# KiCad board Pravetz8A-patched.kicad_pcb (continued)
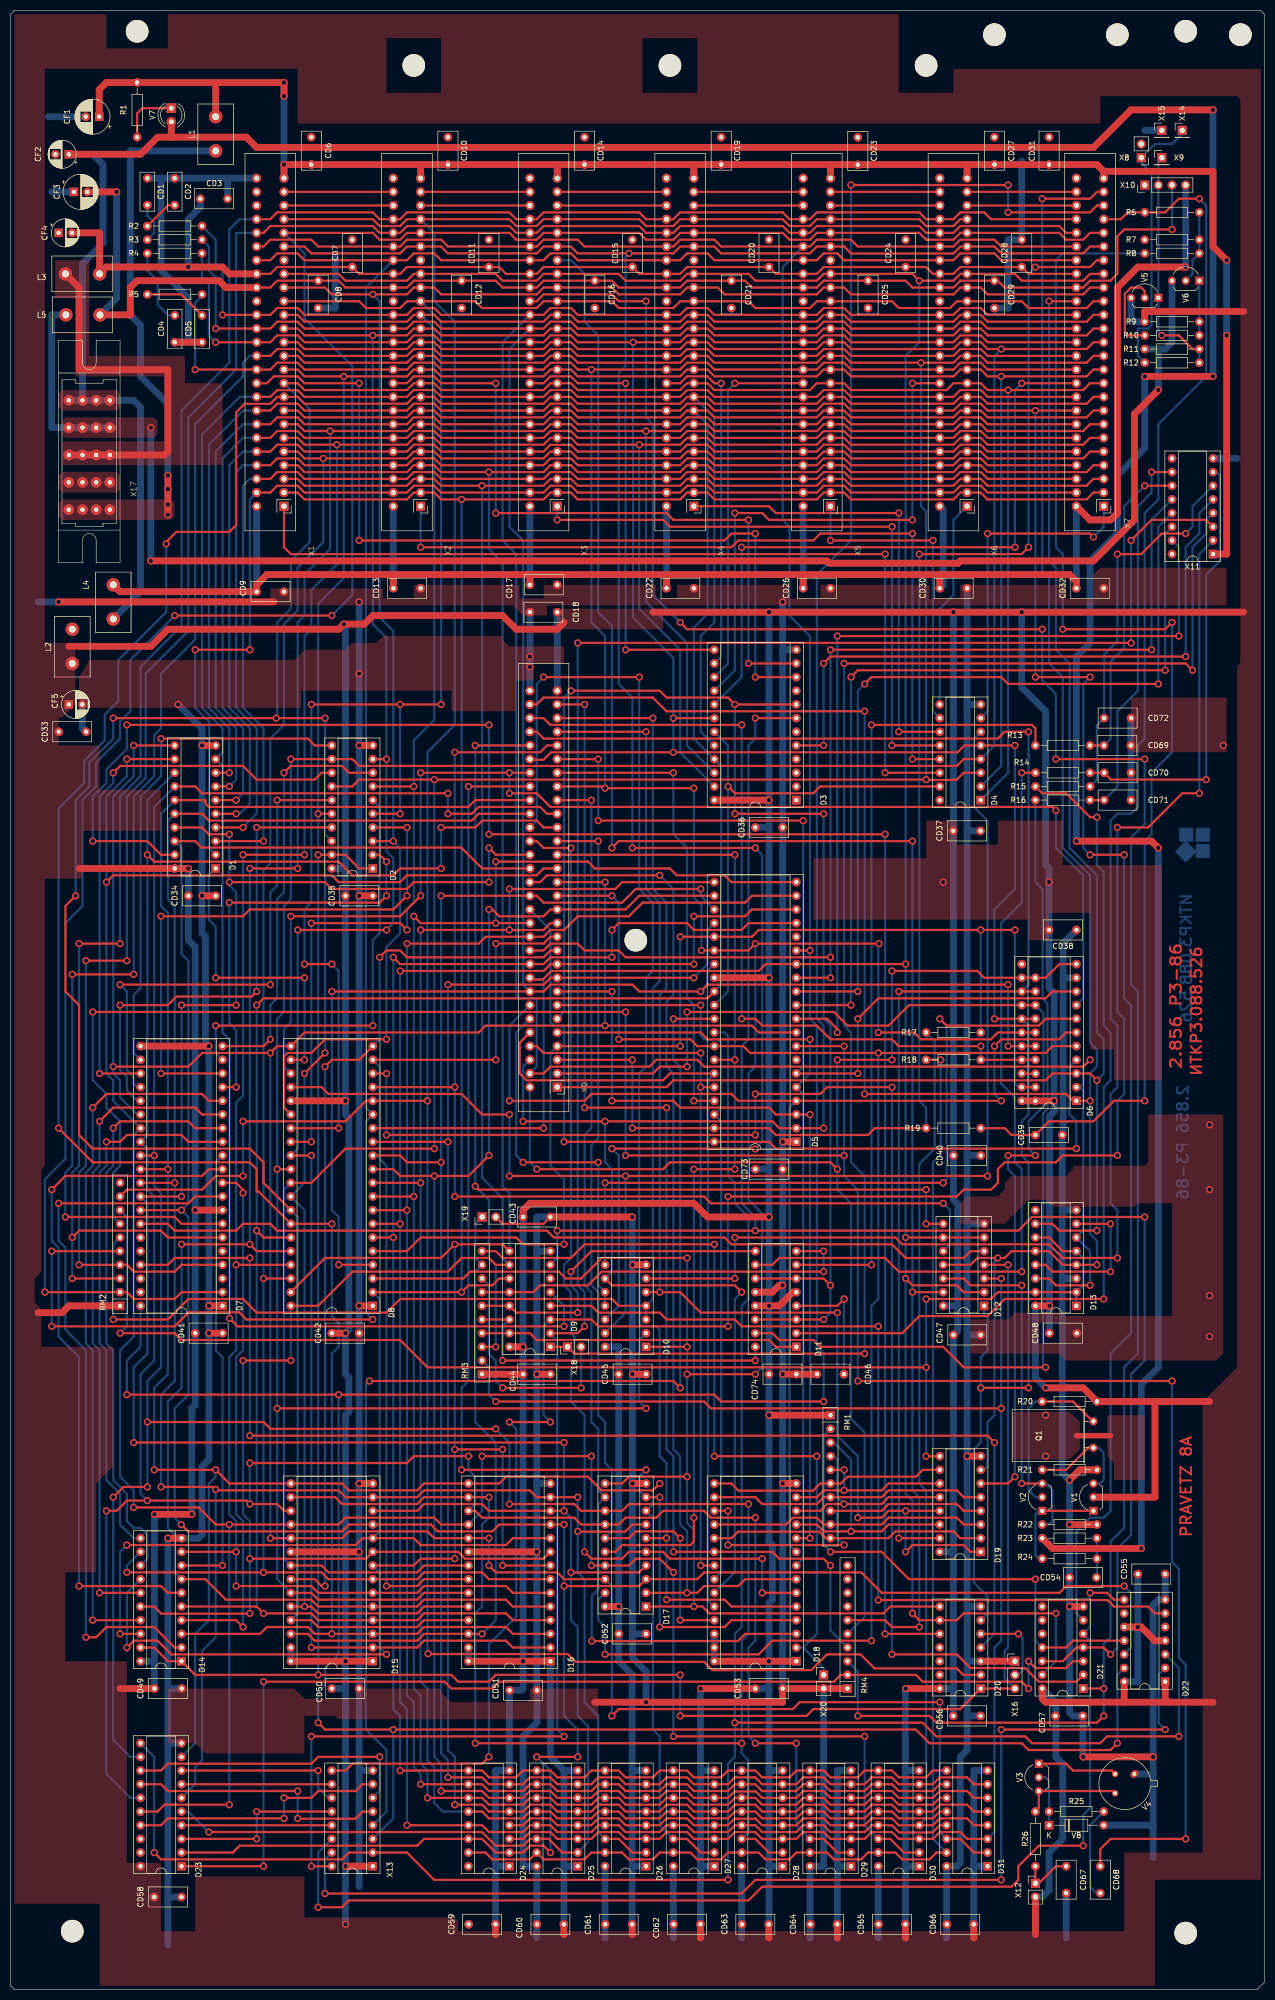
[diagram p0: board, top side]
## Routing (per net, layer and track width the routed paths; a pad name or vN(x,y) marks a point on that pad's centre or on a via; arc(x,y) is an arc through that point) (continued)
MD2: length 427.4
  Top w0.406: D26.2 115.57,25.4 113.03,27.94 110.49,27.94 ; D1.16 35.56,218.44 36.83,217.17 85.72,217.17 86.99,218.44 X0.40 ; v1(30.48,149.86) D7.31 ; v1(105.41,91.44) D16.13 97.79,91.44 96.52,92.71 76.83,92.71 75.56,91.44 D15.13 62.23,91.44 60.96,92.71 38.28,92.71 v1(38.1,92.89) 37.64,93.34 v1(27.94,93.34) ; 105.41,85.02 114.23,85.02 115.57,86.36 D17.7
  Bottom w0.406: D1.16 29.21,217.17 29.21,202.56 30.48,201.29 v1(30.48,149.86) 30.48,113.03 27.94,110.49 v1(27.94,93.34) ; v1(105.41,91.44) v1(105.41,85.09) 105.41,77.47 106.68,76.2 106.68,53.34 109.22,50.8 109.22,29.21 110.49,27.94 ; v1(38.1,92.89) 38.1,65.4 35.56,62.86 35.56,42.54 34.29,41.27 34.29,38.1 31.75,35.56
MD3: length 431.7
  Top w0.406: v1(26.67,96.52) v1(38.1,96.52) 40.64,93.98 61.59,93.98 62.86,92.71 75.56,92.71 76.83,93.98 D16.15 90.8,93.98 92.08,95.25 107.31,95.25 109.86,92.71 119.38,92.71 v1(120.65,93.98) ; 30.48,220.98 36.19,220.98 36.19,220.34 36.83,219.71 85.09,219.71 86.36,220.98 96.52,220.98 ; D7.30 v1(29.21,152.4) ; 123.19,27.94 125.73,27.94 128.27,25.4 D27.2
  Bottom w0.406: D23.9 34.29,45.72 34.29,66.04 36.83,68.58 36.83,93.98 38.1,95.25 v1(38.1,96.52) ; v1(120.65,93.98) 119.38,92.71 119.38,90.17 D17.8 119.38,87.63 119.38,48.26 120.65,46.99 120.65,30.48 123.19,27.94 ; v1(26.67,96.52) 26.67,111.76 29.21,114.3 v1(29.21,152.4) 29.21,200.02 27.94,201.29 27.94,218.44 30.48,220.98
MD4: length 603.5
  Top w0.406: v1(137.16,90.17) 114.93,90.17 113.67,88.9 D17.13 106.05,88.9 104.77,90.17 v1(92.71,90.17) ; v1(81.28,218.44) 85.72,218.44 86.99,219.71 98.42,219.71 99.7,218.44 X0.21 ; v1(19.05,91.44) 20.96,93.34 v1(25.4,93.34) ; 52.07,91.44 60.33,91.44 61.59,90.17 75.56,90.17 76.83,91.44 D16.16 v1(88.9,91.44) ; 135.89,27.94 138.43,27.94 140.97,25.4 D28.2 ; D7.29 v1(26.67,154.94) ; D1.14 34.29,223.52 35.56,222.25 v1(81.28,222.25) ; v1(86.36,45.72) v1(135.89,45.72) ; v1(25.4,105.41) 46.99,105.41 48.26,104.14 v1(90.17,104.14)
  Bottom w0.406: v1(90.17,104.14) 92.71,101.6 v1(92.71,90.17) ; 24.13,43.18 22.22,43.18 19.05,46.35 v1(19.05,91.44) ; v1(88.9,91.44) 88.9,87.63 87.63,86.36 87.63,71.12 86.36,69.85 v1(86.36,45.72) ; 135.89,27.94 137.16,29.21 137.16,42.54 135.89,43.81 v1(135.89,45.72) 135.89,64.77 137.16,66.04 v1(137.16,90.17) ; D1.14 26.67,219.71 v1(26.67,154.94) 26.67,149.22 27.94,147.95 27.94,115.57 25.4,113.03 v1(25.4,105.41) v1(25.4,93.34) ; v1(81.28,218.44) v1(81.28,222.25)
MD5: length 515.8
  Top w0.406: v1(44.45,97.79) 73.66,97.79 74.93,99.06 v1(85.09,99.06) 85.72,99.06 ; 52.07,88.9 50.8,88.9 49.53,90.17 v1(44.45,90.17) ; v1(138.43,87.63) 130.18,87.63 128.91,88.9 121.29,88.9 120.02,87.63 114.3,87.63 113.03,86.36 106.05,86.36 104.77,87.63 87.63,87.63 86.36,88.9 D16.17 ; v1(17.78,88.9) 19.68,88.9 21.59,90.8 v1(25.4,90.8) 43.81,90.8 v1(44.45,90.17) ; D29.2 153.67,25.4 151.13,27.94 148.59,27.94 ; v1(80.01,208.28) 72.39,208.28 71.12,207.01 63.5,207.01 60.96,209.55 26.67,209.55 v1(25.4,210.82) ; v1(146.05,45.72) v1(138.43,45.72) ; v1(80.01,215.9) 86.36,215.9 87.63,217.17 97.79,217.17 99.06,215.9 X0.20 ; v1(44.45,90.17) 45.08,90.17
  Bottom w0.406: D16.17 86.36,90.17 86.36,95.25 85.09,96.52 v1(85.09,99.06) ; v1(138.43,45.72) 137.16,46.99 137.16,63.5 138.43,64.77 v1(138.43,87.63) ; v1(25.4,90.8) 24.13,92.07 24.13,114.3 26.67,116.84 26.67,147.32 25.4,148.59 25.4,156.21 D7.28 25.4,158.75 25.4,220.98 D1.13 ; v1(17.78,88.9) 17.78,40 22.22,35.56 24.13,35.56 ; v1(80.01,215.9) v1(80.01,208.28) ; v1(146.05,45.72) 146.05,30.48 148.59,27.94 ; v1(44.45,90.17) v1(44.45,97.79)
MD6: length 540.4
  Top w0.406: v1(123.19,77.47) 120.65,80.01 116.2,80.01 114.93,78.74 D17.17 v1(107.95,78.74) ; v1(107.95,99.06) v1(87.63,99.06) ; 161.29,27.94 163.51,27.94 166.05,25.4 D30.2 ; v1(158.75,46.99) v1(123.19,46.99) ; 24.13,33.02 27.31,33.02 28.57,34.29 v1(40.64,34.29) ; X0.17 99.06,208.28 97.79,207.01 73.66,207.01 72.39,205.74 60.96,205.74 59.69,207.01 19.05,207.01 v1(17.78,205.74) ; v1(22.86,89.53) 34.92,89.53 38.1,86.36 v1(40.64,86.36) 60.96,86.36 62.23,87.63 78.74,87.63 80.01,86.36 D16.18 ; D1.12 v1(21.59,228.6)
  Bottom w0.406: v1(107.95,78.74) v1(107.95,99.06) ; v1(22.86,89.53) 22.86,92.71 20.32,95.25 20.32,118.75 22.86,121.28 22.86,158.75 D7.27 19.05,165.1 19.05,168.91 17.78,170.18 17.78,221.61 21.59,225.42 v1(21.59,228.6) ; v1(40.64,34.29) v1(40.64,86.36) ; v1(87.63,99.06) 87.63,88.9 D16.18 ; v1(123.19,46.99) v1(123.19,77.47) ; v1(158.75,46.99) 158.75,30.48 161.29,27.94
MD7: length 528.6
  Top w0.406: v1(48.26,83.82) 61.59,83.82 62.86,85.09 77.47,85.09 78.74,83.82 v1(88.9,83.82) ; D1.11 v1(22.86,231.14) ; v1(88.9,78.74) 90.17,77.47 101.6,77.47 102.87,76.2 D17.18 ; D5.9 139.06,177.8 137.8,179.07 88.27,179.07 86.99,177.8 54.61,177.8 52.07,175.26 49.53,175.26 v1(48.26,173.99) 35.56,173.99 33.02,171.45 v1(19.05,171.45) ; D31.2 179.07,25.4 176.53,27.94 D31.14 ; v1(172.72,53.34) 146.69,53.34 145.42,52.07 113.03,52.07 v1(111.76,50.8) ; X0.16 v1(110.49,205.74)
  Bottom w0.406: v1(88.9,83.82) v1(88.9,78.74) ; D7.26 23.5,162.56 20.32,165.73 20.32,168.91 19.05,170.18 v1(19.05,171.45) 19.05,221.61 22.86,225.42 v1(22.86,231.14) ; D31.14 172.72,29.21 v1(172.72,53.34) ; D17.18 111.76,74.93 v1(111.76,50.8) ; v1(110.49,205.74) v1(110.49,179.07) ; v1(48.26,83.82) v1(48.26,173.99)
Q3: length 517.9
  Top w0.406: v1(59.69,185.42) 99.06,185.42 100.33,186.69 115.57,186.69 116.84,185.42 v1(128.27,185.42) 129.54,186.69 v1(185.42,186.69) ; v1(38.1,308.61) X1.37 48.26,308.61 49.53,309.88 53.34,309.88 54.61,308.61 73.66,308.61 74.93,309.88 78.74,309.88 80.01,308.61 99.06,308.61 100.33,309.88 104.14,309.88 105.41,308.61 124.46,308.61 125.73,309.88 129.54,309.88 130.81,308.61 149.86,308.61 151.13,309.88 154.94,309.88 156.21,308.61 175.26,308.61 176.53,309.88 180.34,309.88 181.61,308.61 X7.37 ; v1(60.96,134.62) D8.4 ; NOREF#4.16 v1(185.42,175.26)
  Bottom w0.406: v1(59.69,185.42) 59.69,144.78 60.96,143.51 v1(60.96,134.62) ; X0.53 95.27,186.67 95.27,269.22 92.71,271.78 92.71,304.8 X3.37 ; v1(38.1,308.61) 38.1,318.13 36.83,319.4 36.83,323.85 R3.2 ; v1(185.42,186.69) v1(185.42,175.26) ; v1(128.27,185.42) 129.54,186.69 129.54,189.23 D5.27
R/~{W}: length 610.4
  Top w0.406: D8.14 v1(99.06,160.02) ; D20.9 175.9,68.58 177.17,69.85 v1(194.31,69.85) ; D12.2 177.17,129.54 175.9,130.81 167.64,130.81 v1(166.37,132.08) ; X7.18 200.66,318.77 199.39,317.5 187.96,317.5 186.69,318.77 176.53,318.77 175.26,317.5 v1(168.91,317.5) 167.64,318.77 151.13,318.77 149.86,317.5 138.43,317.5 137.16,318.77 125.73,318.77 124.46,317.5 114.3,317.5 113.03,318.77 99.06,318.77 97.79,317.5 91.44,317.5 90.17,318.77 74.93,318.77 73.66,317.5 62.23,317.5 60.96,318.77 X1.18 ; v1(166.37,139.7) 180.34,139.7 ; 96.84,187.64 98.9,187.64 100.49,189.23 139.06,189.23 140.34,190.5 v1(166.37,190.5) ; v1(167.64,69.85) 168.91,68.58 173.04,68.58
  Bottom w0.406: 96.84,187.64 99.06,187.64 v1(99.06,160.02) ; v1(194.31,69.85) 194.31,60.96 D21.13 ; v1(167.64,69.85) 167.64,90.8 166.37,92.07 v1(166.37,190.5) 166.37,303.53 168.91,306.07 v1(168.91,317.5)
R/~{W}80: length 219.6
  Top w0.406: X0.35 v1(86.36,231.14) ; v1(86.36,149.22) 86.99,148.59 v1(170.18,148.59) ; RM3.3 v1(90.17,119.38) ; D12.8 v1(170.18,142.24)
  Bottom w0.406: v1(86.36,231.14) v1(86.36,149.22) 88.9,146.68 88.9,135.89 90.17,134.62 v1(90.17,119.38) ; v1(170.18,148.59) v1(170.18,142.24)
R/~{W}245: length 55.7
  Top w0.406: v1(54.61,187.96) v1(38.1,187.96) ; 52.07,172.72 v1(54.61,172.72)
  Bottom w0.406: v1(38.1,187.96) 38.1,197.48 36.83,198.75 36.83,207.01 D1.1 ; v1(54.61,172.72) v1(54.61,187.96)
RA0: length 347.1
  Top w0.406: v1(72.39,40.64) 87.63,40.64 88.9,39.37 93.98,39.37 95.25,40.64 100.33,40.64 101.6,39.37 106.68,39.37 107.95,40.64 113.03,40.64 114.3,39.37 119.38,39.37 120.65,40.64 125.73,40.64 127,39.37 132.08,39.37 133.35,40.64 138.43,40.64 139.7,39.37 144.78,39.37 146.05,40.64 151.13,40.64 152.4,39.37 157.48,39.37 158.75,40.64 163.83,40.64 165.1,39.37 170.18,39.37 171.45,40.64 D31.9 ; D5.17 137.16,198.12 135.89,196.85 127,196.85 125.73,198.12 113.03,198.12 v1(111.76,196.85) ; D8.6 v1(71.12,139.7) ; v1(71.12,191.77) 72.39,190.5 99.06,190.5 100.33,191.77 v1(111.76,191.77)
  Bottom w0.406: v1(71.12,191.77) v1(71.12,139.7) 71.12,52.07 72.39,50.8 v1(72.39,40.64) ; v1(111.76,196.85) v1(111.76,191.77)
RA1: length 356.3
  Top w0.406: v1(73.66,30.48) 73.66,30.48 85.72,30.48 ; v1(127,190.5) 100.33,190.5 99.06,189.23 v1(72.39,189.23) ; D31.13 172.72,30.48 171.38,29.14 165.17,29.14 163.83,30.48 160.02,30.48 158.75,29.21 152.4,29.21 151.13,30.48 147.32,30.48 146.05,29.21 139.7,29.21 138.43,30.48 134.62,30.48 133.35,29.21 127,29.21 125.73,30.48 121.92,30.48 120.65,29.21 114.3,29.21 113.03,30.48 109.22,30.48 107.95,29.21 101.6,29.21 100.33,30.48 96.52,30.48 95.25,29.21 88.9,29.21 87.63,30.48 D24.13 ; D5.18 137.8,200.66 136.53,199.39 v1(127,199.39) ; D8.7 v1(72.39,142.24)
  Bottom w0.406: v1(72.39,189.23) v1(72.39,142.24) 72.39,53.34 73.66,52.07 v1(73.66,30.48) ; v1(127,199.39) v1(127,190.5)
RA2: length 344.8
  Top w0.406: v1(73.66,194.31) 86.99,194.31 88.27,195.58 99.06,195.58 100.33,196.85 102.87,196.85 105.41,199.39 114.93,199.39 117.48,201.93 136.53,201.93 137.8,203.2 D5.19 ; D8.8 v1(73.66,144.78) ; v1(76.2,38.1) 87.63,38.1 88.9,36.83 95.25,36.83 96.52,38.1 100.33,38.1 101.6,36.83 107.95,36.83 109.22,38.1 113.03,38.1 114.3,36.83 120.65,36.83 121.92,38.1 125.73,38.1 127,36.83 133.35,36.83 134.62,38.1 138.43,38.1 139.7,36.83 146.05,36.83 147.32,38.1 151.13,38.1 152.4,36.83 158.75,36.83 160.02,38.1 163.83,38.1 165.1,36.83 171.45,36.83 172.72,38.1 D31.10
  Bottom w0.406: v1(76.2,38.1) 76.2,40 74.93,41.27 74.93,53.34 73.66,54.61 v1(73.66,144.78) v1(73.66,194.31)
RA3: length 367.4
  Top w0.406: v1(74.93,147.32) D8.9 ; v1(74.93,199.39) 76.2,198.12 v1(90.17,198.12) X0.48 ; v1(77.47,35.56) 87.63,35.56 88.9,34.29 95.25,34.29 96.52,35.56 100.33,35.56 101.6,34.29 107.95,34.29 109.22,35.56 113.03,35.56 114.3,34.29 120.65,34.29 121.92,35.56 125.73,35.56 127,34.29 133.35,34.29 134.62,35.56 138.43,35.56 139.7,34.29 146.05,34.29 147.32,35.56 151.13,35.56 152.4,34.29 158.75,34.29 160.02,35.56 163.83,35.56 165.1,34.29 171.45,34.29 172.72,35.56 D31.11 ; D5.20 133.99,205.74 132.72,207.01 123.83,207.01 122.55,208.28 108.58,208.28 107.31,209.55 v1(90.17,209.55)
  Bottom w0.406: v1(77.47,35.56) 77.47,40.64 76.2,41.91 76.2,54.61 74.93,55.88 v1(74.93,147.32) v1(74.93,199.39) ; v1(90.17,209.55) v1(90.17,198.12)
RA4: length 348.3
  Top w0.406: D5.21 113.67,205.74 112.39,204.47 v1(92.71,204.47) ; v1(76.2,149.86) D8.10 ; D24.12 87.63,33.02 88.9,31.75 95.25,31.75 96.52,33.02 100.33,33.02 101.6,31.75 107.95,31.75 109.22,33.02 113.03,33.02 114.3,31.75 120.65,31.75 121.92,33.02 125.73,33.02 127,31.75 133.35,31.75 134.62,33.02 138.43,33.02 139.7,31.75 146.05,31.75 147.32,33.02 151.13,33.02 152.4,31.75 158.75,31.75 160.02,33.02 163.83,33.02 165.1,31.75 171.45,31.75 172.72,33.02 D31.12 ; v1(76.2,196.85) v1(92.71,196.85) 92.73,196.83 99.04,196.83 100.33,198.12 X0.13
  Bottom w0.406: 85.72,33.02 80.33,33.02 78.74,34.61 78.74,41.27 77.47,42.54 77.47,55.88 76.2,57.15 v1(76.2,149.86) v1(76.2,196.85) ; v1(92.71,204.47) v1(92.71,196.85)
RA5: length 337.8
  Top w0.406: D5.22 116.84,203.2 114.3,200.66 100.33,200.66 99.06,199.39 90.8,199.39 89.53,200.66 v1(88.9,200.66) ; v1(88.9,154.94) 85.09,151.13 v1(78.74,151.13) 72.39,151.13 71.12,152.4 D8.11 ; v1(80.01,36.83) 87.63,36.83 88.9,35.56 95.25,35.56 96.52,36.83 100.33,36.83 101.6,35.56 107.95,35.56 109.22,36.83 113.03,36.83 114.3,35.56 120.65,35.56 121.92,36.83 125.73,36.83 127,35.56 133.35,35.56 134.62,36.83 134.69,36.76 138.36,36.76 138.43,36.83 139.7,35.56 146.05,35.56 147.32,36.83 151.13,36.83 152.4,35.56 158.75,35.56 160.02,36.83 163.83,36.83 165.1,35.56 171.45,35.56 172.72,36.83 177.8,36.83 179.07,35.56 D31.6
  Bottom w0.406: v1(88.9,200.66) v1(88.9,154.94) ; v1(80.01,36.83) 80.01,41.91 78.74,43.18 v1(78.74,151.13)
RA6: length 340.5
  Top w0.406: v1(80.01,203.2) X0.46 97.79,203.2 99.06,201.93 113.67,201.93 116.2,204.47 v1(128.27,204.47) ; v1(80.01,153.67) 73.66,153.67 72.39,154.94 67.31,154.94 ; D31.7 179.07,38.1 177.8,39.37 172.72,39.37 171.45,38.1 D30.7 165.08,38.1 163.81,39.37 160.02,39.37 158.75,38.1 152.4,38.1 151.13,39.37 147.32,39.37 146.05,38.1 139.7,38.1 138.43,39.37 134.62,39.37 133.35,38.1 127,38.1 125.73,39.37 121.92,39.37 120.65,38.1 114.3,38.1 113.03,39.37 109.22,39.37 107.95,38.1 101.6,38.1 100.33,39.37 96.52,39.37 95.25,38.1 88.9,38.1 87.63,39.37 v1(81.28,39.37)
  Bottom w0.406: v1(80.01,203.2) v1(80.01,153.67) ; D5.23 128.27,203.2 v1(128.27,204.47) ; v1(81.28,39.37) 81.28,42.54 80.01,43.81 80.01,153.64
RA7: length 331.8
  Top w0.406: v1(82.55,34.29) 87.63,34.29 88.9,33.02 95.25,33.02 96.52,34.29 100.33,34.29 101.6,33.02 107.95,33.02 109.22,34.29 113.03,34.29 114.3,33.02 120.65,33.02 121.92,34.29 125.73,34.29 127,33.02 133.35,33.02 134.62,34.29 138.43,34.29 139.7,33.02 146.05,33.02 147.32,34.29 151.13,34.29 152.4,33.02 158.75,33.02 160.02,34.29 163.83,34.29 165.1,33.02 171.45,33.02 172.72,34.29 177.8,34.29 179.07,33.02 D31.5 ; v1(81.28,186.69) 99.06,186.69 100.33,187.96 v1(127,187.96) ; D8.13 v1(81.28,157.48)
  Bottom w0.406: v1(82.55,34.29) 82.55,43.18 81.28,44.45 v1(81.28,157.48) v1(81.28,186.69) ; D5.24 129.54,196.85 129.54,190.5 v1(127,187.96)
RDY: length 435.7
  Top w0.406: v1(59.69,255.27) v1(30.48,255.27) ; 50.8,326.39 67.31,326.39 68.58,325.12 72.39,325.12 73.66,326.39 92.71,326.39 93.98,325.12 97.79,325.12 99.06,326.39 116.84,326.39 118.11,325.12 123.19,325.12 124.46,326.39 143.51,326.39 144.78,325.12 148.59,325.12 149.86,326.39 168.91,326.39 170.18,325.12 175.26,325.12 176.53,326.39 194.95,326.39 196.22,325.12 199.39,325.12 200.66,326.39 X7.21 ; v1(6.35,129.54) RM2.2 21.59,129.54 22.86,128.27 30.48,128.27 31.75,129.54 D7.2
  Bottom w0.406: v1(59.69,255.27) 63.5,259.08 63.5,301.62 54.61,310.51 54.61,322.58 50.8,326.39 ; v1(30.48,255.27) 22.22,247.01 22.22,237.49 20.32,235.58 20.32,232.41 15.88,227.96 15.88,223.52 13.33,220.98 13.33,201.29 10.16,198.12 10.16,154.3 6.35,150.49 v1(6.35,129.54)
RR/~{W}: length 307.8
  Top w0.406: v1(184.15,107.95) 130.18,107.95 128.91,109.22 v1(90.17,109.22) ; v1(184.15,132.08) 180.98,132.08 ; D24.3 95.25,27.94 96.52,29.21 100.33,29.21 101.6,27.94 107.95,27.94 109.22,29.21 113.03,29.21 114.3,27.94 120.65,27.94 121.92,29.21 125.73,29.21 127,27.94 133.35,27.94 134.62,29.21 138.43,29.21 139.7,27.94 146.05,27.94 147.32,29.21 151.13,29.21 152.4,27.94 158.75,27.94 160.02,29.21 163.83,29.21 165.1,27.94 171.45,27.94 172.72,29.21 176.53,29.21 177.8,27.94 D31.3
  Bottom w0.406: D31.3 182.88,29.21 182.88,63.5 184.15,64.77 v1(184.15,107.95) v1(184.15,132.08) ; v1(90.17,109.22) 88.9,110.49 88.9,115.57 RM3.2
S5: length 255.9
  Top w0.406: v1(170.18,128.27) 182.25,128.27 183.52,129.54 D13.2 ; 172.72,99.06 v1(170.18,99.06) ; D13.5 195.58,137.16 193.04,139.7 191.14,139.7 ; v1(20.32,121.92) 30.48,121.92 31.75,120.65 72.39,120.65 77.47,115.57 v1(170.18,115.57)
  Bottom w0.406: D13.5 199.39,135.89 199.39,130.81 D13.2 D13.1 ; v1(20.32,121.92) 21.59,123.19 21.59,143.51 RM2.8 ; v1(170.18,128.27) 170.18,128.27 v1(170.18,115.57) v1(170.18,99.06)
SEGA: length 149.6
  Top w0.406: 146.05,162.56 v1(148.59,162.56) ; X0.8 v1(111.76,185.42) ; v1(111.76,165.1) 123.19,165.1 124.46,163.83 140.97,163.83 142.24,162.56 D5.3 ; D18.10 v1(148.59,83.82)
  Bottom w0.406: v1(148.59,162.56) v1(148.59,83.82) ; v1(111.76,185.42) v1(111.76,165.1)
SEGB: length 223.7
  Top w0.406: v1(182.88,175.26) 184.15,176.53 194.95,176.53 196.22,177.8 198.12,177.8 ; v1(184.15,165.1) D5.4 135.26,165.1 133.99,166.37 107.95,166.37 106.68,165.1 v1(92.71,165.1)
  Bottom w0.406: D18.9 144.78,82.55 144.78,163.83 D5.4 ; X0.54 92.71,179.07 v1(92.71,165.1) ; v1(184.15,165.1) 182.88,166.37 v1(182.88,175.26)
SPKR: length 444.8
  Top w0.406: v1(218.44,27.94) 204.47,27.94 202.56,26.03 CD68.1 ; v1(15.24,181.61) v1(114.3,181.61) ; v1(154.94,175.26) 146.69,175.26 ; v1(114.3,154.94) v1(154.94,154.94) ; v1(157.48,113.03) v1(215.9,113.03)
  Bottom w0.406: v1(15.24,181.61) 15.24,168.91 17.78,166.37 17.78,163.83 20.32,161.29 20.32,153.03 19.05,151.76 19.05,143.51 RM2.7 ; v1(157.48,113.03) 157.48,148.59 154.94,151.13 v1(154.94,154.94) v1(154.94,175.26) ; v1(114.3,181.61) v1(114.3,154.94) ; v1(218.44,27.94) 218.44,60.32 217.17,61.59 217.17,78.1 215.9,79.37 v1(215.9,113.03)
USER: length 371.3
  Top w0.406: v1(10.16,143.51) 30.48,143.51 31.75,142.24 D7.7 ; X1.39 48.26,303.53 49.53,304.8 53.34,304.8 54.61,303.53 73.66,303.53 74.93,304.8 78.74,304.8 80.01,303.53 99.06,303.53 100.33,304.8 104.14,304.8 105.41,303.53 124.46,303.53 125.73,304.8 125.75,304.78 129.52,304.78 129.54,304.8 130.81,303.53 149.86,303.53 151.13,304.8 154.94,304.8 156.21,303.53 175.26,303.53 176.53,304.8 180.34,304.8 181.61,303.53 X7.39 ; v1(11.43,188.59) v1(22.86,188.59)
  Bottom w0.406: v1(10.16,143.51) 10.16,151.76 11.43,153.03 v1(11.43,188.59) ; 45.08,303.53 X1.39 44.45,303.53 43.18,302.26 43.18,299.72 34.29,290.83 34.29,250.82 27.94,244.47 27.94,234.31 26.67,233.04 26.67,225.42 22.86,221.61 v1(22.86,188.59)
VC: length 147.4
  Top w0.406: X0.5 128.27,177.8 129.54,176.53 v1(148.59,176.53)
  Bottom w0.406: D18.8 147.32,80.01 147.32,166.37 D5.5 148.59,170.18 v1(148.59,176.53)
VID0: length 190.2
  Top w0.406: D17.2 v1(125.73,73.66) 127.64,73.66 128.91,74.93 135.26,74.93 136.53,76.2 D18.7 ; v1(120.65,207.01) 99.7,207.01 98.42,205.74 X0.45
  Bottom w0.406: v1(125.73,73.66) 125.73,85.09 124.46,86.36 124.46,99.06 123.19,100.33 123.19,170.18 121.92,171.45 121.92,183.51 123.19,184.78 123.19,204.47 v1(120.65,207.01)
VID1: length 188.9
  Top w0.406: D18.6 v1(139.7,73.66) ; v1(139.7,80.01) 122.55,80.01 121.29,81.28 D17.5 114.93,81.28 113.67,80.01 107.95,80.01 v1(106.68,81.28) ; v1(104.14,212.09) 99.06,212.09 97.79,213.36 X0.42
  Bottom w0.406: v1(139.7,73.66) v1(139.7,80.01) ; v1(104.14,212.09) 104.14,135.89 102.87,134.62 102.87,130.81 104.14,129.54 104.14,121.92 104.77,121.28 104.77,116.2 104.14,115.57 104.14,109.22 106.68,106.68 v1(106.68,81.28)
VID2: length 252.4
  Top w0.406: v1(99.06,243.84) v1(116.84,243.84) ; D18.5 133.99,71.12 132.72,72.39 v1(121.92,72.39) ; D17.6 v1(121.92,83.82)
  Bottom w0.406: v1(116.84,243.84) 116.84,204.47 119.38,201.93 119.38,189.23 118.11,187.96 118.11,171.45 116.84,170.18 116.84,123.82 117.48,123.19 120.02,123.19 120.65,122.55 120.65,99.06 121.92,97.79 v1(121.92,83.82) v1(121.92,72.39) ; X0.41 97.79,217.17 97.79,242.57 v1(99.06,243.84)
VID3: length 232.6
  Top w0.406: v1(83.82,96.52) v1(118.11,96.52) ; v1(120.65,67.31) 132.72,67.31 133.99,68.58 146.69,68.58 ; X0.38 v1(85.09,223.52) ; D17.9 v1(120.65,91.44)
  Bottom w0.406: v1(120.65,91.44) v1(120.65,67.31) ; v1(118.11,96.52) 116.84,95.25 116.84,92.71 D17.9 ; v1(83.82,96.52) 83.82,111.76 85.09,113.03 v1(85.09,223.52)
VID4: length 204.3
  Top w0.406: D18.3 136.52,66.04 135.19,64.7 v1(108.02,64.7) ; 101.6,220.98 v1(107.95,220.98)
  Bottom w0.406: v1(108.02,64.7) 108.02,73.09 109.22,74.29 109.22,90.17 D17.12 109.22,92.71 109.22,104.14 107.95,105.41 107.95,129.54 106.68,130.81 106.68,158.75 107.95,160.02 v1(107.95,220.98)
VID5: length 176.4
  Top w0.406: X0.19 v1(109.22,213.36) ; D18.25 v1(124.46,68.58) ; v1(124.46,83.82) 123.19,85.09 116.2,85.09 114.93,83.82 D17.15
  Bottom w0.406: D17.15 111.76,85.09 111.76,96.52 110.49,97.79 110.49,105.41 109.22,106.68 109.22,129.54 107.95,130.81 107.95,156.84 109.22,158.11 v1(109.22,213.36) ; v1(124.46,68.58) v1(124.46,83.82)
VID6: length 189.4
  Top w0.406: D17.16 112.39,81.28 113.67,82.55 126.36,82.55 127,83.19 v1(127,87.63) ; D5.34 v1(134.62,172.72) ; X0.18 v1(134.62,210.82) ; v1(134.62,152.4) v1(127,152.4)
  Bottom w0.406: v1(134.62,210.82) v1(134.62,172.72) v1(134.62,152.4) ; v1(127,152.4) v1(127,87.63)
VID7: length 296.8
  Top w0.406: v1(110.49,62.23) 139.06,62.23 141.61,64.77 v1(160.02,64.77) ; X0.15 v1(111.76,203.2) ; v1(113.03,176.53) 126.36,176.53 127.64,175.26 D5.33 136.21,175.26 137.48,173.99 v1(161.29,173.99) 192.41,173.99 193.68,175.26 198.12,175.26
  Bottom w0.406: v1(160.02,64.77) 160.02,127 161.29,128.27 v1(161.29,173.99) ; v1(110.49,62.23) 110.49,67.31 109.22,68.58 109.22,72.39 D17.19 ; v1(113.03,176.53) 113.03,201.93 v1(111.76,203.2)
VID7M: length 204.6
  Top w0.406: X0.2 119.38,170.18 120.65,171.45 v1(125.73,171.45) ; D19.6 185.42,93.98 v1(186.69,95.25) ; v1(125.73,181.61) 153.04,181.61 155.58,179.07 163.2,179.07 167.01,182.88 D6.15 NOREF.13 ; v1(190.5,154.94) v1(185.42,154.94)
  Bottom w0.406: v1(185.42,154.94) 185.42,152.4 186.69,151.13 v1(186.69,95.25) ; v1(125.73,181.61) v1(125.73,171.45) ; NOREF.13 192,181.38 192,164.06 189.23,161.29 189.23,156.21 v1(190.5,154.94)
Video: length 324
  Top w0.406: v1(134.62,132.08) 134.62,132.08 D10.6 ; v1(205.74,135.89) 195.58,135.89 193.04,138.43 165.74,138.43 164.47,139.7 v1(134.62,139.7) ; v1(220.98,332.74) 217.17,332.74 214.63,330.2 R6.2 207.65,330.2 206.38,328.93 X7.22
  Bottom w0.406: v1(205.74,135.89) 205.74,144.78 204.47,146.05 204.47,166.37 205.74,167.64 205.74,179.07 204.47,180.34 204.47,217.17 205.74,218.44 208.28,218.44 209.55,219.71 209.55,231.14 210.82,232.41 210.82,274.32 213.36,276.86 213.36,290.83 222.25,299.72 222.25,331.47 v1(220.98,332.74) ; v1(134.62,132.08) v1(134.62,139.7)
~{80VID}: length 169
  Top w0.406: v1(157.48,170.18) D5.6 ; 198.12,185.42 193.68,185.42 192.41,184.15 161.29,184.15 v1(157.48,180.34) ; v1(109.22,217.17) v1(147.32,217.17) ; X0.25 v1(109.22,228.6)
  Bottom w0.406: v1(109.22,228.6) v1(109.22,217.17) ; D5.6 147.32,171.45 v1(147.32,217.17) ; v1(157.48,180.34) v1(157.48,170.18)
~{ALDVID}: length 246.9
  Top w0.406: D10.4 113.03,127 111.76,128.27 72.39,128.27 69.85,125.73 45.72,125.73 43.18,128.27 33.02,128.27 29.21,124.46 v1(19.05,124.46) ; X0.27 v1(118.11,233.68)
  Bottom w0.406: v1(118.11,233.68) 118.11,204.47 120.65,201.93 120.65,187.32 119.38,186.05 119.38,128.27 D10.4 D10.3 ; v1(19.05,124.46) 19.05,138.43 RM2.6
~{C0XX}: length 94
  Top w0.406: v1(133.35,223.52) 134.62,222.25 149.23,222.25 150.5,223.52 173.36,223.52
  Bottom w0.406: D3.19 133.35,231.14 v1(133.35,223.52) 133.35,185.42 D5.30
~{C06X}: length 320.3
  Top w0.406: D21.12 195.58,60.96 198.12,63.5 D21.4 203.2,63.5 v1(204.47,62.23) ; v1(138.43,236.22) D3.7 ; v1(101.6,140.97) v1(138.43,140.97) 187.33,140.97 189.87,143.51 v1(210.82,143.51)
  Bottom w0.406: D9.7 101.6,135.89 v1(101.6,140.97) ; v1(138.43,236.22) 138.43,232.41 137.16,231.14 137.16,176.53 135.89,175.26 135.89,146.05 138.43,143.51 v1(138.43,140.97) ; v1(204.47,62.23) 205.74,63.5 205.74,81.91 208.28,84.45 208.28,114.3 210.82,116.84 v1(210.82,143.51)
~{C07X}: length 264
  Top w0.406: v1(151.13,124.46) D11.3 D11.14 ; D3.8 v1(134.62,238.76) 133.35,240.03 121.92,240.03 120.65,241.3 v1(104.14,241.3) ; D11.11 D11.6 151.13,132.08 v1(152.4,130.81) ; v1(134.62,218.44) v1(151.13,218.44)
  Bottom w0.406: v1(151.13,124.46) 152.4,125.73 v1(152.4,130.81) 152.4,179.07 151.13,180.34 v1(151.13,218.44) ; v1(104.14,241.3) 102.85,240.01 102.85,181.59 X0.6 ; v1(134.62,238.76) v1(134.62,218.44)
~{CASEN}: length 244.7
  Top w0.406: v1(76.2,226.06) v1(92.71,226.06) X0.37 ; v1(76.2,203.2) 72.39,199.39 v1(52.07,199.39) ; v1(92.71,222.25) 97.79,222.25 100.33,219.71 193.68,219.71 v1(194.31,219.07)
  Bottom w0.406: D6.8 199.39,184.15 199.39,207.01 194.31,212.09 v1(194.31,219.07) ; 52.07,170.18 50.8,171.45 50.8,178.43 52.07,179.7 v1(52.07,199.39) ; v1(92.71,226.06) v1(92.71,222.25) ; v1(76.2,203.2) v1(76.2,226.06)
~{CLCEN}: length 337.5
  Top w0.406: v1(111.76,212.09) 113.03,213.36 v1(167.64,213.36) ; v1(167.64,129.54) D12.13 ; v1(168.91,67.31) 163.83,67.31 162.56,68.58 RM4.6
  Bottom w0.406: v1(168.91,67.31) 168.91,91.44 167.64,92.71 v1(167.64,129.54) v1(167.64,213.36) ; X3.19 104.14,321.31 106.68,318.77 106.68,309.88 109.22,307.34 109.22,255.9 111.76,253.36 v1(111.76,212.09)
~{CLRG}: length 87.9
  Top w0.406: X0.24 v1(123.19,226.06) ; v1(127,165.1) D5.37
  Bottom w0.406: v1(127,165.1) 127,182.88 125.73,184.15 125.73,212.09 123.19,214.63 v1(123.19,226.06)
~{CXXX}: length 258
  Top w0.406: 52.07,167.64 57.78,167.64 59.05,166.37 83.82,166.37 87.63,162.56 v1(92.71,162.56) ; v1(181.61,151.13) v1(92.71,151.13)
  Bottom w0.406: D4.6 179.07,232.41 179.07,219.71 181.61,217.17 v1(181.61,151.13) ; D10.13 114.3,125.73 v1(114.3,151.13) ; v1(92.71,151.13) v1(92.71,162.56)
~{DMA}: length 580.9
  Top w0.406: v1(77.47,165.1) 66.04,165.1 62.23,161.29 v1(43.18,161.29) ; X1.22 67.31,328.93 68.58,327.66 72.39,327.66 73.66,328.93 92.71,328.93 93.98,327.66 97.79,327.66 99.06,328.93 116.84,328.93 118.11,327.66 123.19,327.66 124.46,328.93 143.51,328.93 144.78,327.66 148.59,327.66 149.86,328.93 168.91,328.93 170.18,327.66 175.26,327.66 176.53,328.93 X6.22 ; D20.2 177.1,58.42 175.9,59.62 160.59,59.62 157.99,62.23 151.77,62.23 148.84,59.31 130.43,59.31 128.91,60.83 105.03,60.83 103.57,62.3 77.66,62.3 v1(77.6,62.36) ; v1(43.18,151.13) 38.1,151.13 35.56,148.59 21.59,148.59 RM2.9
  Bottom w0.406: 76.2,328.93 78.74,326.39 78.74,313.69 82.55,309.88 82.55,234.95 77.47,229.87 v1(77.47,165.1) 77.47,62.48 v1(77.6,62.36) ; v1(43.18,161.29) v1(43.18,151.13)
